# Altium PCB Elevator.PcbDoc (part 4 of 4)
Units mil, origin at the board's own origin, x right, y up, seen from the top; angles counter-clockwise.
Board outline 4974.69 x 4688.74 mil, 4 copper layers (Top Layer, Internal Plane 1, Internal Plane 2, Bottom Layer), stack 18.2 mil thick; 421 components, 308 nets, 1313 pads, 232 vias.
Unrouted connection lines stored in the file: 1.
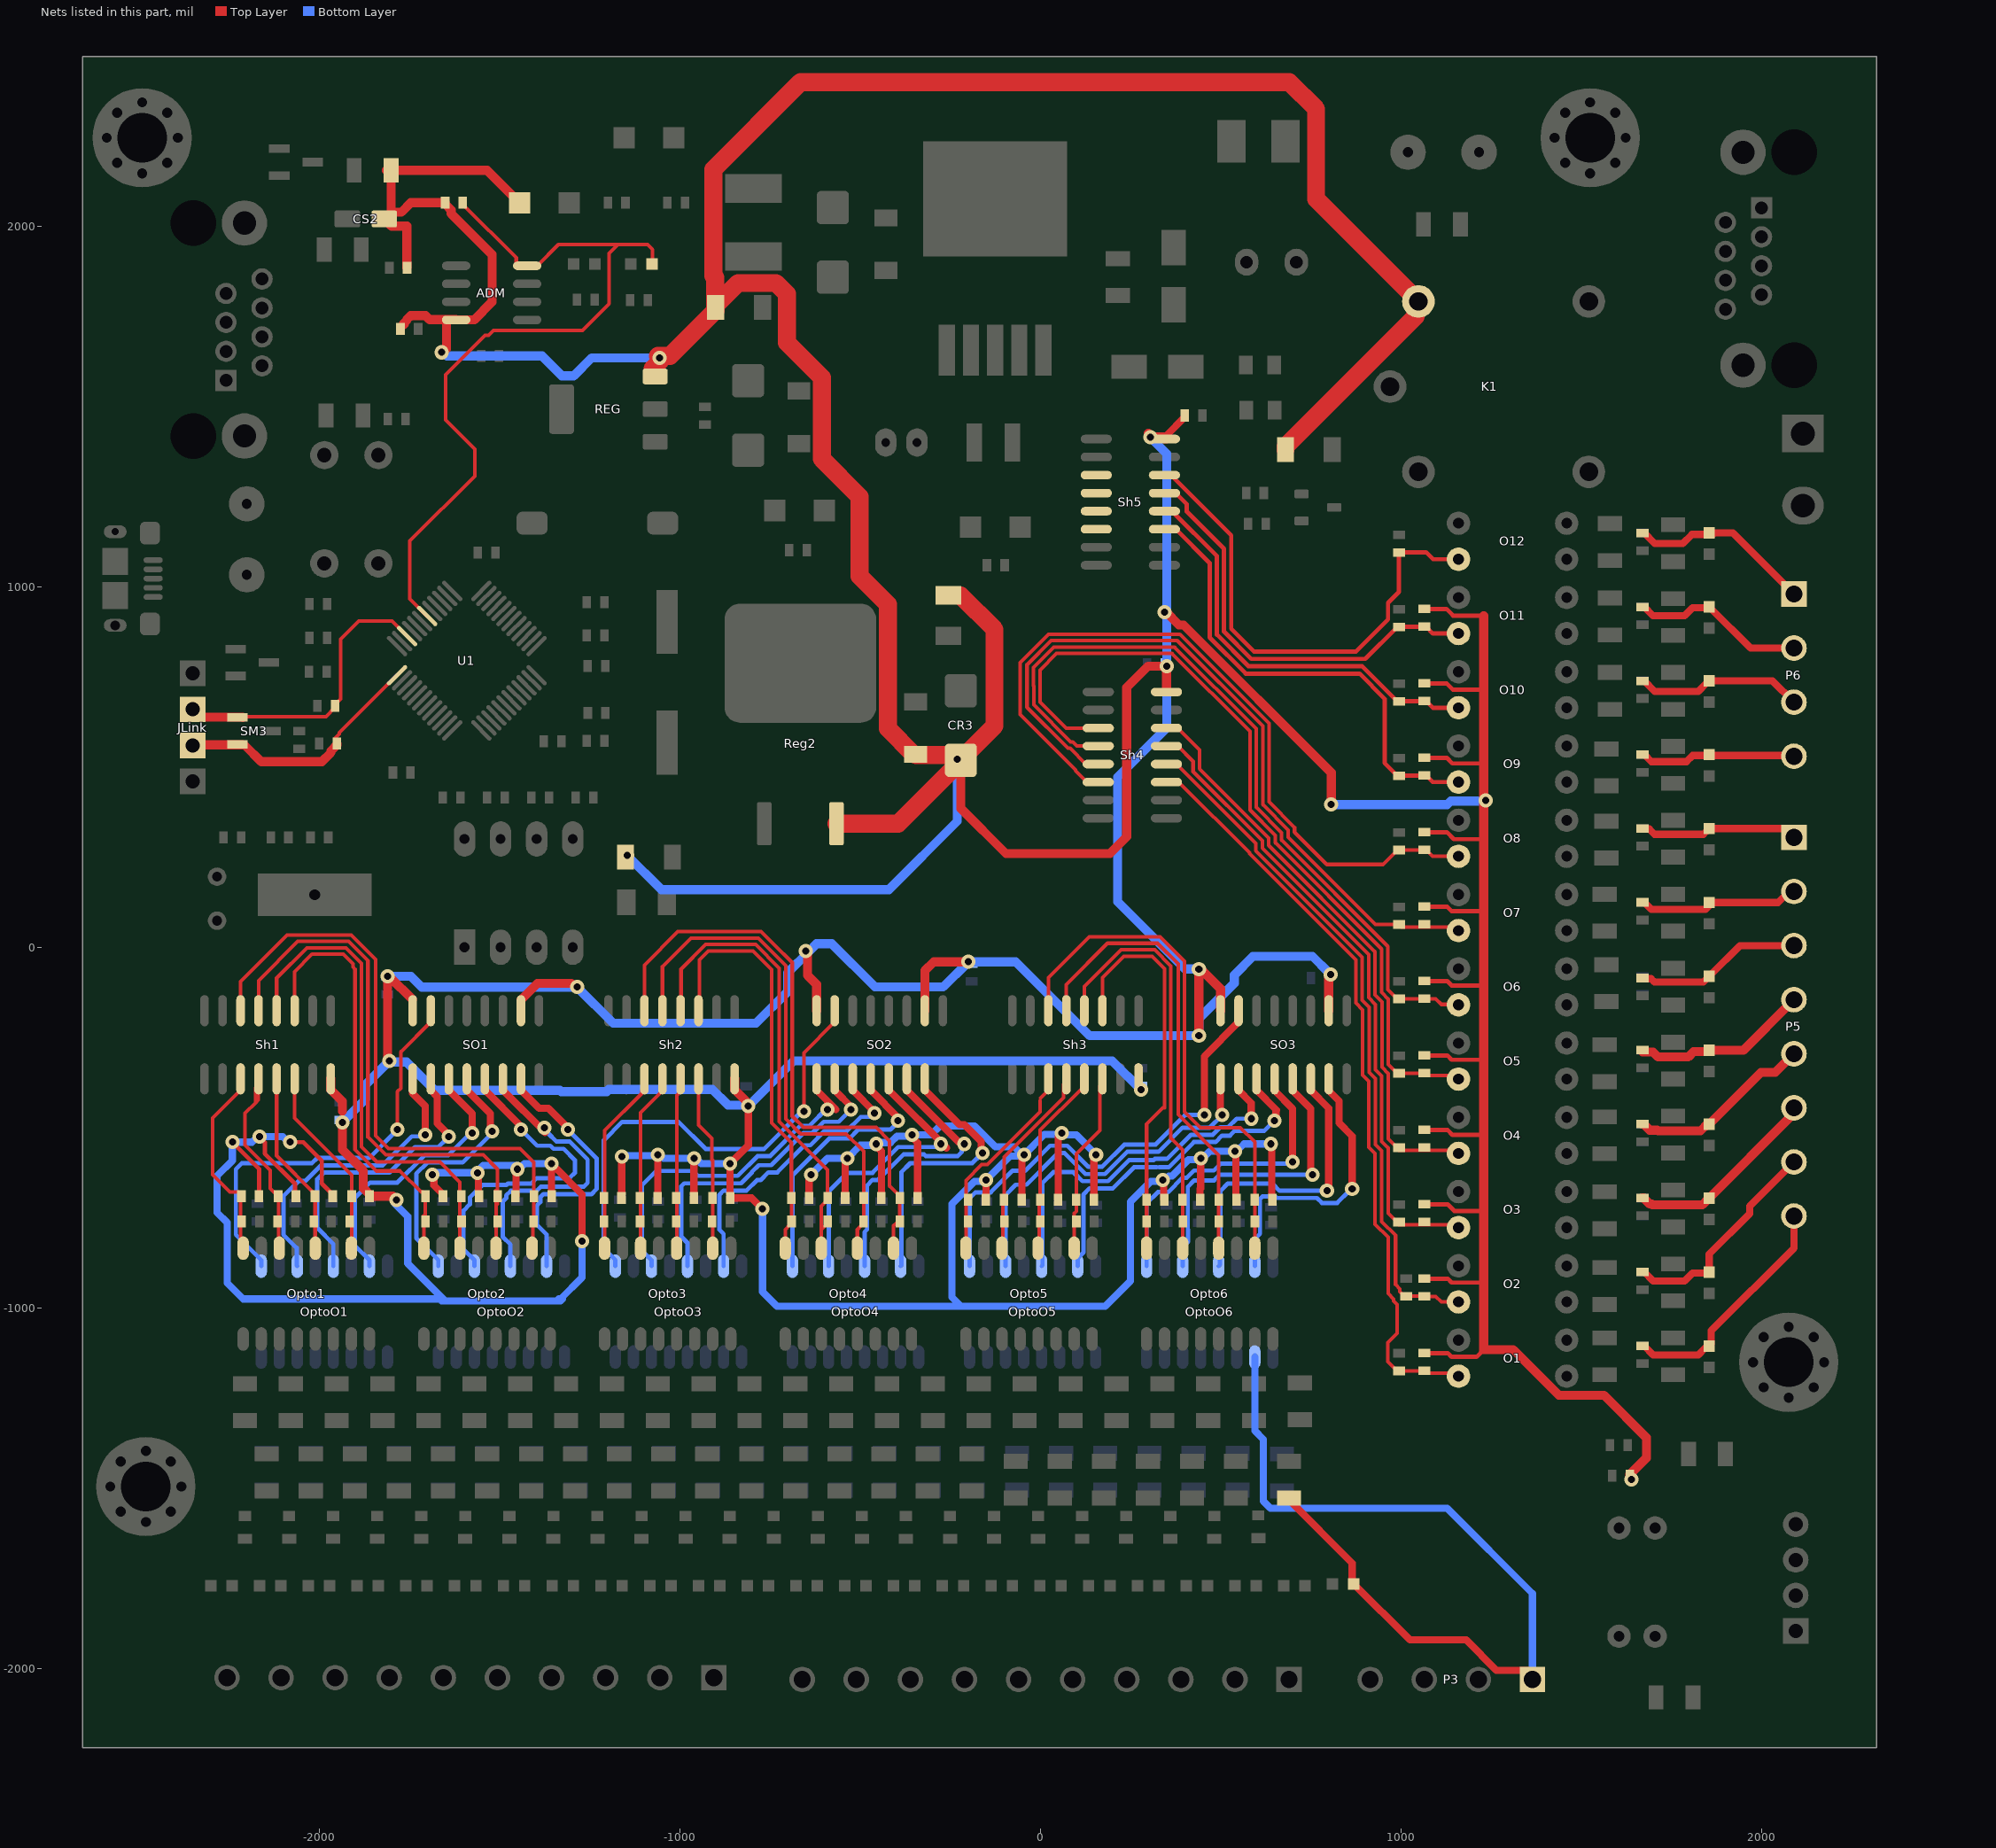
[diagram p6: the nets of this part, all layers, seen from the top]

## Via types
v1: diameter 39.37, hole 19.68, Top Layer to Bottom Layer, 154 vias
v2: diameter 39.37, hole 19.68, Top Layer to Bottom Layer, tented both sides, 76 vias
v3: diameter 78.74, hole 39.37, Top Layer to Bottom Layer, 1 vias
v4: diameter 78.74, hole 39.37, Top Layer to Bottom Layer, tented both sides, 1 vias

## Nets (pads, with @x,y where several pads share a name; then routed paths per layer and width w, separated by ;. In a path a pad name is that pad's centre, name@x,y a point inside that pad or via, vN(x,y) a via of type N, cw(c..) or ccw(c..) an arc to the next point about the centre after c; other vN are vias at no path point) (continued)
SI24_23: L24.2 OptoO6.10 P3.1 RVM24.2 | length 2423.3
  Top Layer w20: RVM24.2@688.46,-1517.87 688.46,-1530.67 865,-1707.2 L24.2@865,-1755 ; L24.2@869.53,-1765 1025,-1920.47 1180.86,-1920.47 1264.95,-2004.57 1354.57,-2004.57 P3.1@1375,-2025
  Bottom Layer w20: OptoO6.10@595,-1135.98 595,-1340.51 618.66,-1364.17 618.66,-1535.28 638.38,-1555 1128.23,-1555 1365,-1791.77 P3.1@1365,-2030
SI24_24: L25.2 P5.8 RUX1.1 | length 643.7
  Top Layer w20: RUX1.1@1670,-1105 1674.92,-1105 1699.92,-1130 1825,-1130 1843.78,-1111.22 L25.2@1849.25,-1111.22 ; L25.2@1855,-1105.47 1860.75,-1099.72 1860.75,-1063.06 2090,-833.81 2090,-768.5 P5.8@2098.5,-760
SI24_25: L26.2 P5.7 RUX2.1 | length 596
  Top Layer w20: RUX2.1@1670,-900 1674.92,-900 1699.92,-925 1787.21,-925 1809.25,-902.95 L26.2@1852.95,-902.95 ; L26.2@1855,-900.47 1855,-850.72 1967.63,-738.09 1967.63,-717.37 2080.27,-604.73 P5.7@2080.27,-600.27
SI24_26: L27.2 P5.6 RUX3.1 | length 537.4
  Top Layer w25: RUX3.1@1670,-695 1673.54,-695 1690.35,-711.81 1695.17,-711.81 1697.2,-713.84 1836.16,-713.84 L27.2@1850,-700 ; L27.2@1855,-695.47 2081.22,-469.25 2081.22,-461.22 P5.6@2070,-450
SI24_27: L28.2 P5.5 RUX4.1 | length 504.5
  Top Layer w25: RUX4.1@1670,-490 1673.54,-490 1690.35,-506.81 1711.06,-506.81 1713.1,-508.84 1831.16,-508.84 L28.2@1850,-490 ; L28.2@1855,-490.47 1998.9,-346.57 2038.43,-346.57 P5.5@2085,-300
SI24_28: L29.2 P5.4 RUX5.1 | length 492.4
  Top Layer w25: RUX5.1@1670,-290 1699.26,-290 1713.1,-303.84 1796.9,-303.84 1812.02,-288.72 1851.75,-288.72 L29.2@1855,-285.47 1949.53,-285.47 2080,-155 P5.4@2095,-155
SI24_29: L30.2 P5.3 RUX6.1 | length 474.2
  Top Layer w20: RUX6.1@1670,-85 1671.81,-86.81 1694.13,-86.81 1703.66,-96.34 1839.13,-96.34 L30.2@1855,-80.47 L30.2@1860,-75.47 ; L30.2@1860,-75 L30.2@1860,-75.47 ; P5.3@2095,10 P5.3@2090,5 1940.47,5 L30.2@1860,-75.47
SI24_30: L31.2 P5.2 RUX7.1 | length 437.6
  Top Layer w20: RUX7.1@1670,125 1674.92,125 1694.92,105 1845,105 L31.2@1864.53,124.53 ; L31.2@1865,125 L31.2@1864.53,124.53 ; P5.2@2080,150 2071.24,150 2045.76,124.53 L31.2@1864.53,124.53
SI24_31: L32.2 P5.1 RUX8.1 | length 437
  Top Layer w20: RUX8.1@1670,330 1671.81,328.19 1689.13,328.19 1703.66,313.66 1839.13,313.66 1850.47,325 L32.2@1860,325 ; L32.2@1855,329.53 2064.57,329.53 2080,314.09 P5.1@2080,310
SI24_32: L33.2 P6.4 RUX9.1 | length 443.1
  Top Layer w20: RUX9.1@1670,535 1674.92,535 1694.92,515 1792.21,515 1809.25,532.05 1857.95,532.05 L33.2@1860,530 ; L33.2@1855,534.53 1857.26,532.26 2087.74,532.26 P6.4@2090,530
SI24_33: L34.2 P6.3 RUX10.1 | length 455.5
  Top Layer w20: RUX10.1@1670,738.99 1674.92,738.99 1703.91,710 1825,710 L34.2@1848.78,733.78 ; L34.2@1860,740 1860.47,739.53 2030.47,739.53 P6.3@2090,680
SI24_34: L35.2 P6.2 RUX11.1 | length 485.5
  Top Layer w20: RUX11.1@1670,943.99 1674.92,943.99 1698.91,920 1787.21,920 1809.25,942.05 1852.95,942.05 1855,940 1859.53,940 1969.53,830 P6.2@2090,830
SI24_35: L36.2 P6.1 RUX12.1 | length 511.4
  Top Layer w20: RUX12.1@1670,1148.99 1674.92,1148.99 1703.91,1120 1782.21,1120 1807.21,1145 L36.2@1865,1145 ; L36.2@1855,1149.53 1920.47,1149.53 2075,995 P6.1@2075,985
Sig_0: OptoO1.1 SO1.15 | length 1156.2
  Top Layer w10: v1(-1782.09,-505) -1782.09,-399.99 -1772.44,-390.34 -1772.44,-289.59 -1689.86,-207.01 SO1.15@-1689.86,-175.51
  Bottom Layer w12: OptoO1.1@-2160,-884.02 -2160,-867.09 -2230.38,-796.71 -2230.38,-615.38 -2213.87,-598.87 -2020,-598.87 -2005,-583.87 -1860.97,-583.87 -1790,-512.91 v1@-1790,-505
Sig_1: OptoO1.3 SO1.1 | length 795.1
  Top Layer w20: SO1.1@-1740.55,-403.93 -1705,-439.49 v1(-1705,-520)
  Bottom Layer w12: OptoO1.3@-2060,-884.02 -2061.66,-882.35 -2061.66,-833.34 -2098.56,-796.44 -2098.56,-690 -2056.06,-647.5 -2037.5,-647.5 -1995,-605 ; -1990.63,-604.37 -1823.08,-604.37 -1742.69,-523.98 -1713.98,-523.98 v1@-1710,-520
Sig_2: OptoO1.5 SO1.2 | length 852.6
  Top Layer w20: SO1.2@-1689.86,-364.49 -1689.86,-395.98 -1671.99,-413.85 -1671.99,-487.77 -1640,-519.76 v1(-1640,-525) v1@-1640,-530
  Bottom Layer w12: OptoO1.5@-1960,-884.02 -1960,-822.46 -2005,-777.46 -2005,-643.11 -1986.14,-624.25 -1804.25,-624.25 -1733.56,-553.56 -1668.56,-553.56 v1@-1645,-530
Sig_3: OptoO1.7 SO1.3 | length 765.9
  Top Layer w20: SO1.3@-1639.86,-364.49 -1639.86,-395.98 -1575,-460.85 -1575,-510 v1@-1580,-515
  Bottom Layer w12: OptoO1.7@-1860,-884.02 -1860,-867.09 -1900,-827.09 -1900,-694.32 -1857.7,-652.02 -1782.58,-652.02 -1707.13,-576.57 -1641.57,-576.57 v1@-1590,-525
  other v1: -1575,-515
Sig_4: OptoO2.1 SO1.4 | length 715.6
  Top Layer w20: SO1.4@-1589.86,-364.49 -1589.86,-395.98 -1525,-460.85 -1525,-495 -1523.71,-496.29 -1523.71,-501.05 -1519.76,-505 v1@-1515,-505
  Bottom Layer w12: OptoO2.1@-1669,-884.02 -1669,-867.09 -1730,-806.09 -1730,-627.54 -1698.9,-596.44 -1601.44,-596.44 -1525,-520 v1@-1525,-510
  other v1: -1520,-510
Sig_5: OptoO2.3 SO1.5 | length 925.7
  Top Layer w20: SO1.5@-1539.86,-364.49 -1539.86,-395.98 v1@-1439.86,-495.98
  Bottom Layer w12: OptoO2.3@-1569,-884.02 -1569,-867.09 -1599.13,-836.96 -1599.13,-730 -1581.58,-712.45 -1581.58,-693.42 -1546.72,-658.56 -1479.83,-658.56 -1476.27,-655 -1411.27,-655 -1396.27,-640 -1305,-640 -1290,-625 -1290,-590 -1321.57,-558.43 -1349.67,-558.43 -1358.11,-550 -1395,-550 -1431.06,-513.94 -1433.94,-513.94 v1@-1435,-515 ; v1(-1440,-505) v1@-1432.5,-512.5
Sig_6: OptoO2.5 SO1.6 | length 851.2
  Top Layer w20: SO1.6@-1489.86,-364.49 -1489.86,-395.98 v1@-1372.92,-512.92
  Bottom Layer w12: OptoO2.5@-1469,-884.02 -1469,-824.01 -1490.2,-802.8 -1490.2,-705 -1480.61,-695.4 -1480.61,-687.44 -1468.04,-674.87 -1396.14,-674.87 -1385.19,-663.92 -1265.95,-663.92 -1255,-652.97 -1255,-588.11 -1304.55,-538.56 -1341.44,-538.56 v1@-1365,-515
  other v1: -1375,-500
Sig_7: OptoO2.7 SO1.7 | length 777.5
  Top Layer w20: SO1.7@-1439.86,-364.49 -1439.86,-395.98 -1389.36,-446.49 -1363.51,-446.49 -1310,-500 v1(-1310,-505)
  Bottom Layer w12: OptoO2.7@-1369,-884.02 -1369,-796 -1395,-770 -1395,-715 -1386.24,-706.24 -1386.24,-693.08 -1377.48,-684.32 -1244.31,-684.32 -1230,-670 -1230,-585 -1303.56,-511.44 -1303.56,-508.56 v1@-1300,-505
Sig_8: OptoO3.1 SO2.15 | length 1326.4
  Top Layer w10: v1(-655,-455) -655,-292.08 -569.93,-207.01 SO2.15@-569.93,-175.51
  Bottom Layer w12: OptoO3.1@-1178,-884.02 -1178,-867.09 -1210,-835.09 -1210,-535 -1158.87,-483.87 -1002.82,-483.87 -927.82,-558.87 -765.29,-558.87 -660,-453.59 v1@-660,-450
Sig_9: OptoO3.3 SO2.1 | length 957.7
  Top Layer w20: SO2.1@-619.93,-364.49 -619.93,-395.98 -566.38,-449.54
  Bottom Layer w12: OptoO3.3@-1078,-884.02 -1078,-867.09 -1105,-840.09 -1105,-660 -1065,-620 -962.33,-620 -948.77,-633.56 -838.56,-633.56 -783.75,-578.75 -748.75,-578.75 -665,-495 -640,-495 v1@-590,-445
  other v1: -590,-450
Sig_10: OptoO3.5 SO2.2 | length 875
  Top Layer w20: SO2.2@-569.93,-364.49 -569.93,-395.98 v1@-520.46,-445.46
  Bottom Layer w12: OptoO3.5@-978,-884.02 -978,-819.4 -995,-802.41 -995,-662.03 -987.41,-654.44 -829.44,-654.44 -800.42,-625.42 -800.42,-624.04 -780.42,-604.05 -745.94,-604.05 -656.77,-514.87 -631.77,-514.87 -600.45,-483.56 -558.56,-483.56 v1@-535,-460
  other v1: -525,-450
Sig_11: OptoO3.7 SO2.3 | length 831.1
  Top Layer w20: SO2.3@-519.93,-364.49 -519.93,-395.98 v1@-457.96,-457.96
  Bottom Layer w12: OptoO3.7@-878,-884.02 -878,-794.4 -890,-782.41 -890,-686.84 -877.48,-674.32 -814.31,-674.32 -785.29,-645.29 -775.29,-645.29 -753.92,-623.92 -728.92,-623.92 -653.75,-548.75 -637.54,-548.75 -598.79,-510 -537.54,-510 -497.54,-470 v1@-470,-470
  other v1: -460,-460
Sig_12: OptoO4.1 SO2.4 | length 763.8
  Top Layer w20: SO2.4@-469.93,-364.49 -469.93,-395.98 v1@-390.46,-475.46
  Bottom Layer w12: OptoO4.1@-687,-884.02 -687,-632 -585,-530 -529.43,-530 -504.43,-505 -415,-505 -395,-485 v1(-395,-480) v1@-395,-470
Sig_13: OptoO4.3 SO2.5 | length 834
  Top Layer w20: SO2.5@-419.93,-364.49 -419.93,-395.98 v1@-260,-555.91
  Bottom Layer w12: OptoO4.3@-587,-884.02 -586.57,-883.58 -586.57,-677.03 -534.54,-625 -465,-625 -393.56,-553.56 v1@-268.56,-553.56
  other v1: -275,-545
Sig_14: OptoO4.5 SO2.6 | length 780.2
  Top Layer w20: SO2.6@-369.93,-364.49 -369.93,-395.98 v1@-223.71,-542.21
  Bottom Layer w12: OptoO4.5@-487,-884.02 -487,-789.41 -480,-782.41 -480,-660 -464.87,-644.87 -449.87,-644.87 -378.43,-573.43 -322.5,-573.43 -317.37,-578.56 -228.56,-578.56 -217.47,-567.47 v1@-217.47,-557.53
  other v1: -210,-545
Sig_15: OptoO4.7 SO2.7 | length 771.4
  Top Layer w20: SO2.7@-319.93,-364.49 -319.93,-395.98 -224.14,-491.77 -210.11,-491.77 -163.71,-538.18 v1@-163.71,-561.29
  Bottom Layer w12: OptoO4.7@-387,-884.02 -385,-882.02 -385.13,-881.89 -385.13,-623.43 -360.13,-598.43 -188.43,-598.43 v1@-165,-575
  other v1: -160,-570
Sig_16: OptoO5.1 SO3.15 | length 1312
  Top Layer w20: v1(455,-465) 455,-302.01 550,-207.01 SO3.15@550,-175.51
  Bottom Layer w12: OptoO5.1@-196,-884.02 -196,-696 -179.31,-679.32 -136.86,-679.32 -76.89,-619.34 -41.89,-619.34 27.46,-550 75,-550 133.56,-608.56 171.44,-608.56 233.18,-546.82 319.87,-546.82 386.57,-480.13 401.69,-465 v1(455,-465)
Sig_17: OptoO5.3 SO3.1 | length 1044.6
  Top Layer w20: v1@500,-470 SO3.1@500,-364.49
  Bottom Layer w12: OptoO5.3@-96,-884.02 -96,-686 -68,-658 -38,-658 50.13,-569.87 66.77,-569.87 125.33,-628.43 179.67,-628.43 241.41,-566.69 328.1,-566.69 394.8,-500 470,-500 v1(505,-465)
Sig_18: OptoO5.5 SO3.2 | length 1029.9
  Top Layer w20: SO3.2@550,-364.49 550,-395.98 585,-430.98 v1(585,-475)
  Bottom Layer w12: OptoO5.5@4,-884.02 6.43,-881.58 6.43,-653.57 36.89,-623.11 91.89,-623.11 117.1,-648.31 187.9,-648.31 246.21,-590 314.43,-590 317.87,-586.57 351.36,-586.57 418.05,-519.87 478.23,-519.87 499.55,-498.56 521.44,-498.56 545,-475 v1(585,-475)
Sig_19: OptoO5.7 SO3.3 | length 951.5
  Top Layer w20: SO3.3@600,-364.49 600,-395.98 655,-450.98 653.71,-452.28 653.71,-476.29 v1(650,-480)
  Bottom Layer w12: OptoO5.7@104,-884.02 104,-861.81 120,-845.81 120,-685 136.82,-668.18 201.82,-668.18 260.13,-609.87 322.67,-609.87 ; 330,-609.87 356.16,-609.87 426.29,-539.75 486.46,-539.75 504.31,-521.9 526.21,-521.9 539.55,-508.56 621.44,-508.56 v1@645,-485 ; v1@650,-485 v1(650,-480)
Sig_20: OptoO6.1 SO3.4 | length 868.8
  Top Layer w20: SO3.4@650,-364.49 650,-396.96 700,-446.96 v1@700,-589.51
  Bottom Layer w12: OptoO6.1@295,-884.02 295,-710 326.44,-678.56 355,-678.56 395,-638.56 406.44,-638.56 426.44,-618.56 481.44,-618.56 500,-600 687.36,-600 690,-597.36 v1@690,-590
  other v1: 700,-595
Sig_21: OptoO6.3 SO3.5 | length 870.7
  Top Layer w20: SO3.5@700,-364.49 700,-396.96 750,-446.96 v1@750,-630
  Bottom Layer w12: OptoO6.3@395,-884.02 395,-830.91 410,-815.91 410,-782.16 409.39,-781.55 409.39,-663.71 427.2,-645.91 482.2,-645.91 498.11,-630 742.36,-630 v1@750,-622.36
  other v1: 755,-630
Sig_22: OptoO6.5 SO3.6 | length 846
  Top Layer w20: SO3.6@750,-364.49 750,-395.98 800,-445.98 v1@800,-665
  Bottom Layer w12: OptoO6.5@495,-884.02 498.73,-880.29 498.73,-841.46 500,-840.19 500,-674.87 519.87,-655 643.73,-655 663.73,-675 790,-675 v1@795,-680
  other v1: 795,-675
Sig_23: OptoO6.7 SO3.7 | length 796.8
  Top Layer w20: SO3.7@800,-364.49 800,-396.96 828.98,-425.94 828.98,-487.09 865,-523.12 v1(865,-670)
  Bottom Layer w12: OptoO6.7@595,-884.02 595,-808.79 609.39,-794.39 609.39,-697.64 616.42,-690.61 651.23,-690.61 655.5,-694.87 767.41,-694.87 781.1,-708.56 823.56,-708.56 v1@857.12,-675
SIMu_0: CY1.2 Opto1.16 RA1.2 Sh1.11 | length 533.5
  Top Layer w10: RA1.2@-2217.35,-690 -2217.35,-803.92 -2210,-811.27 Opto1.16@-2210,-820 ; Sh1.11@-2217.35,-364.49 -2217.35,-395.98 -2295,-473.64 -2295,-630 -2246.73,-678.27 -2221.73,-678.27 RA1.2@-2215,-685
SIMu_1: CY2.2 Opto1.14 RA2.2 Sh1.12 | length 562.1
  Top Layer w10: -2176.65,-576.65 -2205,-548.31 -2205,-460 -2175,-430 ; Sh1.12@-2175,-390 -2175,-430 ; -2174.19,-579.12 -2135,-618.31 -2135,-668 RA2.2@-2113,-690 ; Sh1.12@-2165.09,-366.74 Sh1.12@-2167.35,-364.49 -2167.8,-364.94 -2167.8,-422.8 -2175,-430 ; RA2.2@-2111.5,-691.5 -2111.5,-832.52 Opto1.14@-2110,-834.02
SIMu_2: CY3.2 Opto1.12 RA3.2 Sh1.13 | length 508
  Top Layer w10: Sh1.13@-2117.35,-364.49 -2117.35,-577.65 -2010.99,-684.01 RA3.2@-2010.99,-689.01 ; Opto1.12@-2010,-834.02 -2010.5,-833.52 -2010.5,-695.5 RA3.2@-2010,-695
SIMu_3: CY4.2 Opto1.10 RA4.2 Sh1.14 | length 537.6
  Top Layer w10: Sh1.14@-2067.35,-364.49 -2067.35,-473.03 -1908.99,-631.39 RA4.2@-1908.99,-690 RA4.2@-1908.99,-695 ; RA4.2@-1915,-695 -1909.5,-700.5 -1909.5,-833.51 Opto1.10@-1910,-834.02
SIMu_4: CY5.2 Opto2.16 RA5.2 Sh1.3 | length 1210.5
  Top Layer w10: Sh1.3@-2067.35,-157.35 -2067.35,-67.35 -2019.14,-19.14 -1932.45,-19.14 -1905.8,-45.8 -1905.8,-54.2 -1900,-60 -1900,-560 -1840,-620 -1775,-620 -1716.73,-678.27 -1711.81,-678.27 -1705,-685.08 RA5.2@-1705,-690 -1705,-759.5 CY5.2@-1704.5,-760 ; CY5.2@-1710,-745 -1709,-746 Opto2.16@-1709,-834.02
SIMu_5: CY6.2 Opto2.14 RA6.2 Sh1.4 | length 1383.5
  Top Layer w10: Sh1.4@-2117.35,-175.51 -2117.35,-85 -2033.61,-1.27 -1925.05,-1.27 -1882.13,-44.19 -1882.13,-552.6 -1839.72,-595 -1665,-595 -1609,-651 -1609,-690 -1609,-760 Opto2.14@-1609,-834.02
SIMu_6: CY7.2 Opto2.12 RA7.2 Sh1.5 | length 1599.9
  Top Layer w10: Sh1.5@-2167.35,-175.51 -2167.35,-92.11 -2058.63,16.61 -1917.64,16.61 -1864.25,-36.79 -1864.25,-525.75 -1814.57,-575.43 -1544.57,-575.43 -1505,-615 -1505,-711 -1509,-715 ; RA7.2@-1510,-675 -1509,-676 -1509,-715 ; Opto2.12@-1509,-834.02 -1509,-715
SIMu_7: CY8.2 Opto2.10 RA8.2 Sh1.6 | length 1726.5
  Top Layer w10: Sh1.6@-2217.35,-175.51 -2217.35,-94.85 -2088.02,34.48 -1910.24,34.48 -1842.56,-33.2 -1842.56,-522.16 -1807.16,-557.56 -1442.44,-557.56 -1404.5,-595.5 -1404.5,-690 -1404.5,-750.5 CY8.2@-1400,-755 ; Opto2.10@-1409,-834.02 -1406.75,-831.76 -1406.75,-766.75 CY8.2@-1405,-765
SIMu_8: CY9.2 Opto3.16 RA9.2 Sh2.11 | length 481.7
  Top Layer w10: Opto3.16@-1208,-834.02 -1208,-508 -1105,-405 Sh2.11@-1105,-395
SIMu_9: CY10.2 Opto3.14 RA10.2 Sh2.12 | length 498.3
  Top Layer w10: Opto3.14@-1108,-834.02 -1108,-458 -1047.42,-397.42 Sh2.12@-1047.42,-367.58 ; Sh2.12@-1050,-365 Sh2.12@-1047.42,-367.58 ; Sh2.12@-1047.42,-364.49 Sh2.12@-1047.42,-367.58
SIMu_10: CY11.2 Opto3.12 RA11.2 Sh2.13 | length 460.6
  Top Layer w10: Opto3.12@-1008,-834.02 -1008,-410.25 -1000,-402.25 Sh2.13@-1000,-380 ; Sh2.13@-997.42,-364.49 Sh2.13@-995.13,-366.78
SIMu_11: CY12.2 Opto3.10 RA12.2 Sh2.14 | length 485
  Top Layer w10: Sh2.14@-947.42,-364.49 -947.42,-492.58 -910,-530 -910,-590 ; Opto3.10@-908,-834.02 -908,-590
SIMu_12: CY13.2 Opto4.16 RA13.2 Sh2.3 | length 1175.9
  Top Layer w10: Sh2.3@-947.42,-175.51 -945,-173.1 -945,-35 -920,-10 -796.28,-10 -745,-61.28 -745,-486.88 -690,-541.88 RA13.2@-690,-695 ; Opto4.16@-707,-834.02 -707,-782.43 -695,-770.43 CY13.2@-695,-760 ; RA13.2@-695,-695 -689.75,-700.25 -689.75,-759.75 CY13.2@-689.5,-760
SIMu_13: CY14.2 Opto4.14 RA14.2 Sh2.4 | length 1314
  Top Layer w10: Sh2.4@-997.42,-175.51 -995.86,-173.95 -995.86,-60 -927.98,7.87 -788.87,7.87 -723.31,-57.69 -723.31,-483.29 -589.66,-616.94 -589.66,-690 RA14.2@-589.66,-695 ; Opto4.14@-607,-834.02 -607,-782.43 ; CY14.2@-590,-760 -590,-765.43 -607,-782.43 ; RA14.2@-585,-695.26 -607,-717.26 -607,-782.43
SIMu_14: CY15.2 Opto4.12 RA15.2 Sh2.5 | length 1457.5
  Top Layer w10: Sh2.5@-1047.42,-152.42 -1047.42,-53.49 -968.17,25.75 -781.47,25.75 -705.43,-50.29 -705.43,-475.89 -664.24,-517.08 -537.92,-517.08 -489.33,-565.67 RA15.2@-489.33,-695 ; Opto4.12@-507,-834.02 -507,-782.43 -495,-770.43 CY15.2@-495,-760 ; CY15.2@-489.5,-760 -489.41,-759.92 RA15.2@-489.41,-695
SIMu_15: CY16.2 Opto4.10 RA16.2 Sh2.6 | length 1642.1
  Top Layer w10: Sh2.6@-1097.42,-175.51 -1097.42,-49.2 -1004.59,43.62 -774.07,43.62 -740.22,9.78 ; -740,10 -687.56,-42.44 -687.56,-468.49 -656.84,-499.2 -454.75,-499.2 -417.46,-536.49 -417.46,-661.61 -388.99,-690.08 RA16.2@-388.99,-695 ; Opto4.10@-407,-834.02 -407,-772 CY16.2@-400,-765 ; RA16.2@-390,-695 -389.24,-695.76 -389.24,-759.75 CY16.2@-389.5,-760
SIMu_16: CY17.2 Opto5.16 RA17.2 Sh3.11 | length 565.5
  Top Layer w10: Opto5.16@-206,-834.02 -206,-646 -162.56,-602.56 -146.51,-602.56 0,-456.05 0,-425 ; 1.13,-417.36 22.51,-395.98 Sh3.11@22.51,-364.49
SIMu_17: CY18.2 Opto5.14 RA18.2 Sh3.12 | length 524.8
  Top Layer w10: Opto5.14@-106,-834.02 -103,-831.02 -103,-703 RA18.2@-100,-700 -100,-581.32 65,-416.32 Sh3.12@65,-380
SIMu_18: CY19.2 Opto5.12 RA19.2 Sh3.13 | length 514.1
  Top Layer w10: Opto5.12@-6,-834.02 -3,-831.02 -3,-698 RA19.2@0,-695 ; RA19.2@0,-700 RA19.2@0,-695 ; Sh3.13@115,-375 115,-391.6 0,-506.6 RA19.2@0,-695
SIMu_19: CY20.2 Opto5.10 RA20.2 Sh3.14 | length 492.3
  Top Layer w10: Opto5.10@94,-834.02 94,-737.73 100,-731.73 RA20.2@100,-700 100,-572.54 165,-507.54 Sh3.14@165,-385 ; Sh3.14@172.51,-364.49 169.49,-364.49 Sh3.14@177.16,-372.16
SIMu_20: CY21.2 Opto6.16 RA21.2 Sh3.3 | length 1117
  Top Layer w10: Sh3.3@175,-195 172.51,-192.51 Sh3.3@172.51,-175.51 172.51,-83.64 231.8,-24.36 310,-24.36 344.49,-58.84 344.49,-445 ; Opto6.16@295,-834.02 RA21.2@295,-700 295,-490 340,-445
SIMu_21: CY22.2 Opto6.14 RA22.2 Sh3.4 | length 1163.9
  Top Layer w10: Sh3.4@122.51,-175.51 122.51,-108.36 224.4,-6.48 317.4,-6.48 362.36,-51.44 362.36,-528.96 395,-561.6 RA22.2@395,-700 Opto6.14@395,-834.02
SIMu_22: CY23.2 Opto6.12 RA23.2 Sh3.5 | length 1275.1
  Top Layer w10: Sh3.5@72.51,-162.49 72.51,-103 186.91,11.39 324.81,11.39 382.36,-46.16 382.36,-463.68 495,-576.32 RA23.2@495,-700 495,-760 Opto6.12@495,-834.02
SIMu_23: CY24.2 Opto6.10 RA24.2 Sh3.6 | length 1485.4
  Top Layer w10: Sh3.6@22.51,-175.51 22.51,-83.81 135.59,29.27 332.21,29.27 400.23,-38.75 400.23,-456.28 443.95,-500 555,-500 595,-540 RA24.2@595,-700 595,-760 Opto6.10@595,-834.02
SIMu_24: CV1.2 O1.4 RG1.1 Sh4.11 | length 2115.5
  Top Layer w10: Sh4.11@350,458.26 384.68,458.26 580.15,262.79 580.15,260.66 875,-34.19 875,-154.14 893.9,-173.04 893.9,-354.09 911.38,-371.57 911.38,-553.78 928.62,-571.03 928.62,-767.48 965,-803.86 965,-960 980.25,-975.25 980.25,-980.7 989.83,-990.28 989.83,-1070.51 964.37,-1095.97 964.37,-1148.79 990.08,-1174.5 CV1.2@995,-1174.5 ; CV1.2@995,-1174.24 1064.75,-1174.24 RG1.1@1065,-1173.99 1071.81,-1180.8 1151.83,-1180.8 O1.4@1160,-1188.98
SIMu_25: CV2.2 O2.4 RG2.1 Sh4.12 | length 1922.9
  Top Layer w10: Sh4.12@350,508.26 378.41,508.26 598.02,288.65 598.02,268.06 892.87,-26.79 892.87,-146.74 911.77,-165.63 911.77,-346.69 929.25,-364.17 929.25,-546.38 946.5,-563.62 946.5,-760.08 985.39,-798.97 985.39,-935.25 997.48,-947.33 997.48,-954.49 1010.08,-967.09 CV2.2@1015,-967.09 ; CV2.2@1015,-970 1017.62,-967.38 1064.72,-967.38 RG2.1@1065,-967.66 1096.73,-967.66 1112.12,-983.04 O2.4@1160,-983.04
SIMu_26: CV3.2 O3.4 RG3.1 Sh4.13 | length 1777.1
  Top Layer w10: Sh4.13@350,558.26 381.5,558.26 424.06,515.7 424.06,487.89 615.89,296.05 615.89,275.47 910.75,-19.39 910.75,-139.33 929.65,-158.23 929.65,-339.29 947.13,-356.77 947.13,-537.82 965.39,-556.09 965.39,-737.14 990.08,-761.83 CV3.2@995,-761.83 ; CV3.2@995,-768.64 1151.53,-768.64 O3.4@1160,-777.11
SIMu_27: CV4.2 O4.4 RG4.1 Sh4.14 | length 1620.9
  Top Layer w10: Sh4.14@350,608.26 381.5,608.26 441.93,547.82 441.93,495.3 633.77,303.46 633.77,282.87 928.62,-11.98 928.62,-131.93 947.52,-150.83 947.52,-331.88 965.39,-349.76 965.39,-530.81 990.08,-555.5 CV4.2@995,-555.5 ; CV4.2@995,-562.31 1151.13,-562.31 O4.4@1160,-571.18
SIMu_28: CV5.2 O5.4 RG5.1 Sh4.3 | length 2265.1
  Top Layer w10: Sh4.3@161.02,608.26 71.74,608.26 0,680 0,760 -0.86,760.86 -0.86,769.14 45,815 365,815 581.36,598.64 581.36,381.14 651.64,310.86 651.64,290.28 946.5,-4.58 946.5,-124.52 965.39,-143.42 965.39,-324.48 990.08,-349.16 CV5.2@995,-349.16 ; CV5.2@995,-348.91 1064.75,-348.91 RG5.1@1065,-348.66 1071.81,-355.47 1150.22,-355.47 O5.4@1160,-365.25
SIMu_29: CV6.2 O6.4 RG6.1 Sh4.4 | length 2153.8
  Top Layer w10: Sh4.4@161.02,558.26 101.74,558.26 90,570 84.72,570 -17.87,672.6 -17.87,725 -18.73,725.86 -18.73,776.55 37.6,832.87 372.4,832.87 599.23,606.04 599.23,388.55 669.52,318.26 669.52,297.68 964.37,2.83 964.37,-117.12 990.08,-142.83 CV6.2@995,-142.83 995.25,-142.58 1064.75,-142.58 RG6.1@1065,-142.33 1096.73,-142.33 1112.5,-158.09 1158.78,-158.09 O6.4@1160,-159.32
SIMu_30: CV7.2 O7.4 RG7.1 Sh4.5 | length 2077.7
  Top Layer w10: Sh4.5@161.02,508.26 126.47,508.26 82.6,552.13 77.32,552.13 -36.61,666.05 -36.61,783.95 30.19,850.75 379.81,850.75 617.11,613.45 617.11,395.95 687.39,325.67 687.39,305.08 928.97,63.5 CV7.2@995,63.5 1001.81,56.69 1149.92,56.69 O7.4@1160,46.61
SIMu_31: CV8.2 O8.4 RG8.1 Sh4.6 | length 2107.2
  Top Layer w10: Sh4.6@161.02,458.26 129.53,458.26 97.4,490.38 97.4,492.6 -56,646 -56,789.83 22.79,868.62 387.21,868.62 634.98,620.85 634.98,403.35 705.26,333.07 705.26,319.74 795,230 950,230 983.03,263.03 983.27,263.03 990,269.76 CV8.2@990,270 ; CV8.2@995.25,270.09 1064.75,270.09 RG8.1@1065,270.34 1069.92,270.34 1087.72,252.55 O8.4@1160,252.55
SIMu_32: CV9.2 O9.4 RG9.1 Sh5.11 | length 1331.9
  Top Layer w12: Sh5.11@344.49,1159.74 375.98,1159.74 470,1065.72 470,859.02 569.96,759.06 598.24,759.06 885.42,759.06 955,689.48 955,511.25 990.08,476.17 CV9.2@995,476.17 995.25,476.42 1064.75,476.42 RG9.1@1065,476.67 1069.92,476.67 1088.12,458.48 O9.4@1160,458.48
SIMu_33: CV10.2 O10.4 RG10.1 Sh5.12 | length 1169.4
  Top Layer w12: Sh5.12@344.49,1209.74 345.02,1209.2 365.8,1209.2 489.87,1085.13 489.87,867.25 577,780.13 892.46,780.13 990.08,682.5 CV10.2@995,682.5 995.25,682.76 1064.75,682.76 RG10.1@1065,683.01 1069.92,683.01 1088.52,664.41 O10.4@1160,664.41
SIMu_34: CV11.2 O11.4 RG11.1 Sh5.13 | length 1197.6
  Top Layer w12: Sh5.13@344.49,1259.74 375.98,1259.74 406.65,1229.08 406.65,1208.35 509.75,1105.25 509.75,875.48 585.1,800.13 669.87,800.13 670,800 901.24,800 990.08,888.84 CV11.2@995,888.84 995.25,889.09 1064.75,889.09 RG11.1@1065,889.34 1069.92,889.34 1088.92,870.34 O11.4@1160,870.34
SIMu_35: CV12.2 O12.4 Sh5.14 | length 1365.4
  Top Layer w12: Sh5.14@362.31,1309.74 529.62,1142.43 529.62,883.71 593.33,820 875.22,820 964.39,909.17 964.39,955.39 995,985.99 CV12.2@995,1095.17 995.25,1095.42 1064.75,1095.42 1065,1095.67 1069.92,1095.67 1089.32,1076.27 O12.4@1160,1076.27
SIMu_36: Sh5.3
SIMu_37: Sh5.4
SIMu_38: Sh5.5
SIMu_39: Sh5.6
SWCLk: JLink.2 R5.2 SM3.2 U1.37 | length 679.3
  Top Layer w10: R5.2@-1955.34,575 -1955.34,579.92 -1943.11,592.15 -1943.11,595 U1.37@-1783.48,754.63
  Top Layer w25: JLink.2@-2330,550 -2330,558.98 -2327.07,561.91 -2211.95,561.91 SM3.2@-2211.26,562.6 ; SM3.2@-2205,560 -2160,515 -1991.64,515 -1966.81,539.83 -1966.81,544.65 -1950,561.46 R5.2@-1950,565
SWIO: JLink.3 R6.1 SM3.1 U1.34 | length 855.3
  Top Layer w10: JLink.3@-2350,660 JLink.3@-2333.35,676.65 ; SM3.1@-2220,640 -1980.42,640 -1955.34,665.08 R6.1@-1955.34,670 ; R6.1@-1956.91,671.57 -1940,688.48 -1940,855 -1890,905 -1797.44,905 U1.34@-1755.64,863.21
  Top Layer w25: JLink.3@-2345,650 -2333.09,638.09 -2211.95,638.09 SM3.1@-2211.26,637.4
TxComm: ADM.4 RC3.1 Tx.1 U1.30 | length 2186.8
  Top Layer w10: U1.30@-1699.96,918.88 -1747.87,966.79 -1747.87,1126.85 -1567.87,1306.85 -1567.87,1381.87 -1648.36,1462.35 -1648.36,1587.91 -1539.52,1696.75 -1529.95,1696.75 -1516.27,1710.43 -1269.57,1710.43 -1195,1785 -1195,1924.53 -1170.61,1948.92 ; RC3.1@-1601.01,2065 -1601.01,2060.08 -1452.77,1911.84 -1452.77,1896.29 -1446.48,1890 ADM.4@-1422.61,1890 -1395.05,1890 -1336.12,1948.92 -1170.61,1948.92 ; Tx.1@-1075.94,1895 -1075,1895.94 -1075,1935 -1088.92,1948.92 -1170.61,1948.92
VCC: 5V.1 ADM.8 CPP5.2 CPP6.2 CPP7.2 CPP8.2 CPP9.2 CPP10.2 CPP11.2 CPP12.2 CR2.1 CR3.1 CS2.1 CS3.1 DP1.1 DP2.2 DP15.2 DZ1.2 K1.4 RA1.1 RA2.1 RA3.1 RA4.1 RA5.1 RA6.1 RA7.1 RA8.1 RA9.1 RA10.1 RA11.1 RA12.1 RA13.1 RA14.1 RA15.1 RA16.1 RA17.1 RA18.1 RA19.1 RA20.1 RA21.1 RA22.1 RA23.1 RA24.1 RC3.2 RC4.2 Reg2.3 REG.3 RG1.2 RG2.2 RG3.2 RG4.2 RG5.2 RG6.2 RG7.2 RG8.2 RG9.2 RG10.2 RG11.2 RP2.2 RT2.1 Sh1.16 Sh2.16 Sh3.16 Sh4.16 Sh5.16 SO1.10 SO1.16 SO2.10 SO2.16 SO3.10 SO3.16 | length 35460.6
  Top Layer w12: v1@-2235,-545 -2166.01,-613.99 RA1.1@-2166.01,-690 ; v1(-2165,-525) -2150,-540 -2150,-571.69 -2066.42,-655.27 -2066.42,-687.58 RA2.1@-2064.01,-690 ; v1(-2080,-540) -2043.31,-540 -1992.12,-591.19 -1992.12,-654.96 -1962,-685.08 RA3.1@-1962,-690 ; RG1.2@1065,-1125 1130.44,-1125 1140.79,-1135.35 1210.15,-1135.35 1230,-1115.5 ; RG2.2@1065,-918.67 1130.04,-918.67 1140.79,-929.42 1225.58,-929.42 1230,-925 ; RG3.2@1065,-712.33 1129.64,-712.33 1148.04,-730.74 1225.74,-730.74 1230,-735 ; RG4.2@1065,-506 1129.24,-506 1143.24,-520 1230,-520 ; RG5.2@1065,-299.67 1128.83,-299.67 1140.79,-311.62 1228.38,-311.62 1230,-310 ; RG6.2@1065,-93.33 1128.43,-93.33 1140.79,-105.69 1224.31,-105.69 1230,-100 ; RG7.2@1065,113 1128.03,113 1141.03,100 1230,100 ; RG8.2@1065,319.33 1127.63,319.33 1146.96,300 1230,300 ; RG9.2@1065,525.67 1127.23,525.67 1142.89,510 1230,510 ; RG10.2@1065,732 1126.83,732 1143.83,715 1230,715 ; RG11.2@1065,938.33 1126.42,938.33 1144.76,920 1230,920
  Top Layer w20: v1@-1681.29,-638.71 -1681.29,-659.79 -1656.01,-685.08 RA5.1@-1656.01,-690 ; v1@-1557.48,-627.52 -1557.48,-688.19 RA6.1@-1555.67,-690 ; RA7.1@-1455.34,-690 -1453.53,-688.19 v1@-1453.53,-616.47 ; RA8.1@-1355,-690 v1@-1355,-605 ; v1(-1355,-600) -1270,-685 v1(-1270,-815) ; RA9.1@-1161.01,-695 -1160.5,-694.5 v1@-1160.5,-579.5 ; RA10.1@-1060.67,-695 -1060,-694.33 v1(-1060,-575) ; RA11.1@-960.34,-695 -960.34,-604.66 ; v1@-860,-605 RA12.1@-860,-695 -800,-695 v1@-775,-720 ; v1(-860,-600) -809.33,-549.33 v1@-809.33,-448.95 ; RA13.1@-641.01,-695 v1@-641.01,-641.25 ; RA14.1@-540.67,-695 v1@-540.67,-599.33 ; v1@-460,-545.24 -440.34,-564.91 RA15.1@-440.34,-695 ; v1@-351.72,-530 -340,-541.72 RA16.1@-340,-695 ; RA17.1@-151.01,-700 -150.5,-699.5 v1@-150.5,-650.5 ; RA18.1@-51.01,-700 v1@-51.01,-586.25 ; RA19.1@48.99,-700 50,-698.99 v1@50,-525 ; RA20.1@148.99,-700 v1@148.99,-586.25 ; Sh5.16@310,1410 310,1414.76 313.95,1418.71 349.13,1418.71 400.5,1470.08 CPP8.2@400.5,1475 ; v1@342.18,-647.18 342.18,-698.19 RA21.1@343.99,-700 ; RA22.1@443.99,-700 443.27,-699.28 443.27,-670 445,-668.27 v1(445,-585) ; v1(540,-565) 542.18,-567.18 542.18,-698.19 RA23.1@543.99,-700 ; v1(640,-545) 642.18,-547.18 642.18,-698.19 RA24.1@643.99,-700
  Top Layer w25: Sh1.16@-1967.35,-364.49 -1967.35,-394.61 -1935,-426.95 -1935,-455 ; v1(-1935,-485) -1935,-560.88 -1876.81,-619.08 -1876.81,-668.19 RA4.1@-1855,-690 ; RA4.1@-1860,-690 RA4.1@-1855,-690 ; v1@-1810,-310 v1(-1810,-80) -1807.25,-82.75 -1802.51,-82.75 SO1.16@-1740.55,-144.7 ; v1(-1785,-700) -1795,-690 RA4.1@-1855,-690 ; RC4.2@-1773.99,1715 -1773.99,1718.54 RC4.2@-1763.77,1728.77 ; RC4.2@-1765,1730 -1757.19,1737.82 -1757.19,1740.17 -1745.25,1752.11 -1704.75,1752.11 -1693.33,1740.69 -1620.15,1740.69 ADM.8@-1619.46,1740 ; RT2.1@-1755.64,1885 -1756.33,1885.69 -1756.33,2000 -1798.82,2000 CS2.1@-1818.82,2020 CS2.1@-1800,2038.82 ; v1@-1646.33,1659.84 -1646.33,1739.31 -1645.64,1740 ADM.8@-1619.46,1740 ; 5V.1@-1443.9,2065 -1533.9,2155 CS3.1@-1800,2155 -1812.8,2155 -1800,2142.2 CS2.1@-1800,2038.82 ; SO1.10@-1439.86,-175.51 -1439.86,-145.39 -1394.47,-100 v1@-1300,-100 ; Sh2.16@-847.42,-364.49 -847.42,-394.61 v1@-806.01,-436.01 ; v1@-645,-5 -645,-77.87 -619.93,-102.94 SO2.16@-619.93,-175.51 ; SO2.10@-319.93,-175.51 -319.93,-64.93 -295,-40 v1(-199.33,-40) ; CR3.1@-220,518.98 -220,385 -95,260 192.99,260 240,307.01 240,720.63 299.04,779.67 v1@350.33,779.67 ; v1@300,1420 v1@300,1425.95 ; Sh5.16@344.49,1409.74 Sh5.16@349.74,1409.74 ; v1(345,930) 348.89,930 384.89,894 397.72,894 807.18,484.53 v1(807.18,395.95) ; Sh4.16@350,708.26 350.33,708.59 v1@350.33,779.67 ; v1(350.67,780) v1@350.33,779.67 ; v1(440,-245) v1(440,-60) 442.5,-57.5 500,-115 SO3.16@500,-175.51 ; SO3.10@800,-175.51 v1@800,-84.56 ; 1230,920 1230,715 1230,510 1230,300 1230,100 1230,-100 1230,-310 1230,-520 1230,-735 1230,-925 1230,-1115.5 1311.75,-1115.5 1438.1,-1241.85 1563.13,-1241.85 1680.81,-1359.53 1680.81,-1415.65 1635,-1461.46 RP2.2@1635,-1465 ; RP2.2@1635,-1468.54 RP2.2@1640.73,-1474.27 ; CS2.1@-1800,2038.82 -1771.26,2038.82 -1745.08,2065 RC3.2@-1650,2065 -1650,2061.46 -1633.19,2044.65 -1633.19,2034.85 -1520,1921.65 -1520,1789.64 -1569.64,1740 ADM.8@-1619.46,1740
  Top Layer w50: -1075,1605 -1055,1625 v1(-1055,1635) ; v1@-1060,1640 -1026.89,1640 -899.96,1766.93 DP2.2@-899.96,1775 -901.34,1776.38 -901.34,1857.25 -906.61,1862.52 -906.61,2157.48 -664.84,2399.25 690.75,2399.25 765,2325 765,2074.96 1045,1794.96 K1.4@1045,1785 ; DP2.2@-895,1785 -837.68,1842.32 -732.8,1842.32 -702.17,1811.69 -702.17,1677.1 -605.14,1580.07 -605.14,1354.6 -500.53,1250 -500.53,1029.47 -422.13,951.06 -422.13,606.63 -350.61,535.12 DZ1.2@-345.49,535.12 -344.12,533.74 CR3.1@-234.76,533.74 ; Reg2.3@-565,343.04 -393.97,343.04 CR3.1@-222.76,514.26 ; CR2.1@-220.51,975.51 -126.75,881.75 -126.75,614.2 CR3.1@-220,520.95 ; DP15.2@680,1380 680,1388.07 1040.98,1749.05 1040.98,1779.02 K1.4@1040,1780
  Bottom Layer w20: v1(-2165,-525) -2100.24,-525 -2085.24,-540 v1(-2080,-540) ; v1@-2165,-520 -2165.24,-520 -2185.24,-540 v1(-2240,-540) -2240,-591.24 -2282.13,-633.36 -2282.13,-735.5 -2254.25,-763.37 -2254.25,-930.75 -2210,-975 -1660,-975 ; v1@-1790,-710 -1753.87,-746.13 -1753.87,-876.13 -1650,-980 ; v1(-1685,-630) -1680,-625 v1@-1565,-625 ; -1660,-980 -1650,-980 ; v1(-1560,-625) v1@-1565,-625 ; v1@-1450,-605 -1545,-605 v1@-1565,-625 ; v1@-1440,-610 -1430,-600 v1(-1355,-600) ; -1335,-975 -1330,-975 -1270,-915 v1(-1270,-815) ; -1325,-975 -1330,-980 -1650,-980 ; v1@-1160,-585 -1152.5,-577.5 v1@-1062.5,-577.5 ; v1@-1058.71,-578.71 -1051.05,-578.71 -1044.76,-585 v1(-960,-585) -954.76,-585 -939.76,-600 v1(-860,-600) ; v1(-770,-725) -770,-955 -730,-995 -220,-995 ; v1@-630,-625 -590,-585 v1(-535,-585) -498.71,-548.71 -458.71,-548.71 v1(-455,-545) -451.29,-541.29 -415.06,-541.29 -397.47,-523.71 -358.71,-523.71 v1(-355,-520) -303.12,-520 -278.12,-495 -181.88,-495 -124.01,-552.87 -72.13,-552.87 v1@-55,-570 ; v1@-48.71,-578.71 -83.71,-578.71 v1(-150,-645) -153.71,-648.71 -182.47,-648.71 -245,-711.24 -245,-970 -220,-995 ; v1(-45,-575) 11.29,-518.71 56.29,-518.71 v1(60,-515) ; v1@70,-520 100,-520 v1(155,-575) ; v1@335,-645 331.29,-648.71 306.29,-648.71 250,-705 250,-925 180,-995 -220,-995 ; 356.49,-633.75 366.05,-633.75 411.09,-588.71 441.29,-588.71 v1(445,-585) 450.24,-585 470.24,-565 v1(540,-565) ; v1@540.24,-570 565.24,-545 v1(640,-545)
  Bottom Layer w25: v1(-1935,-485) -1871.37,-421.37 -1871.37,-381.37 -1807.75,-317.75 -1757.25,-317.75 -1678.68,-396.32 -1332.05,-396.32 -1328.31,-400.06 -1202.33,-400.06 -1196.15,-393.88 -909.34,-393.88 -865.97,-437.25 -812.08,-437.25 v1(-809.33,-440) -684.33,-315 200,-315 v1(280,-395) ; CPP6.2@-1805,-80 -1745,-80 -1715,-110 v1(-1284.33,-110) -1184.33,-210 -787.62,-210 -699.92,-122.29 -699.92,-69.92 v1@-640,-10 ; v1@-1655,1650 -1644.93,1639.93 -1381.58,1639.93 -1326.59,1584.94 -1293.41,1584.94 -1243.35,1635 v1(-1055,1635) ; v1(-1144.96,255) -1049.96,160 -420,160 -230,350 v1(-230,521.5) ; v1(-650,-10) v1@-640,-10 ; CPP11.2@-204.03,-44.69 -269.04,-109.71 -458.25,-109.71 -577.96,10 -620,10 v1@-640,-10 ; v1(-199.33,-40) -67.72,-40 137.28,-245 435,-245 v1@437.25,-247.25 ; v1(305,1415) 350.67,1369.33 v1(350.67,780) CPP7.2@350.67,775.67 ; CPP7.2@350,775 CPP7.2@350.67,775.67 ; v1(440,-245) 443.89,-245 440,-241.11 440,-197.38 538.25,-99.13 538.25,-76.75 590,-25 755,-25 CPP9.2@800,-70 ; v1(440,-60) 401.46,-60 214.63,126.84 214.63,471.91 350.67,607.96 CPP7.2@350.67,775.67 ; v1(807.18,395.95) 1128.63,395.95 1138.28,405.6 v1@1240.6,405.6
  other v1: 1640,-1475 340,-645 -635,-630 -1450,-615 -1160,-580 -1805,-315 805.67,-75 1235,407.56 -1660,1650
pads on no net: "CIN2. " "CIN. " C13.0 CIN2.5 CIN2.7 CIN.5 CIN.7 CR3.0 CR5.0 CS2.0 K1.3 Reg2.0 REG.0 Sh1.7 Sh2.7 Sh3.7 Sh4.7 Sh5.7 Sh5.10 SO3.9 T1.0 U1.1 U1.10 U1.19 U1.22 U1.39 U1.40 usb.1 Y3.3
copper on no net: | length 318.4
  Top Layer w10: 850,-175.51 850,-193.71 856.29,-200 854.45,-201.84 854.45,-211.46 875,-232.01 875,-475 v1@880,-480
  other v1: 870,-475

## Polygon pours and split planes (outlines as drawn)
GND_Panel on Bottom Layer "Bottom Layer-GND_Panel" (solid, remove dead copper, pour order 14): -2445,-1030 -2440,-1025 700,-1025 700,-1075 990,-1365 1245,-1365 1355,-1255 1350,-1250 1350,1160 1420,1230 1450,1200 2065,1200 2175,1090 2150,1065 2150,-860 2090,-860 1905,-1045 1905,-1255 2175,-1525 2175,-2665 2120,-2720 2005,-2605 -2405,-2605 -2405,-2325 -2510,-2220 -2475,-2185 -2475,-1745 -2305,-1575 -2340,-1540 -2340,-1335 -2500,-1175
GND on Bottom Layer "Bottom Layer-GND" (solid, remove dead copper, pour order 8): -2415,2005 -2145,2275 -210,2275 20,2045 765,2045 1030,2310 2075,2310 2195,2190 2195,1175 2170,1150 2090,1230 1365,1230 1350,1215 1350,-1330 1270,-1410 1210,-1350 910,-1350 545,-985 -2435,-985 -2495,-925 -2470,-900 -2470,440 -2400,510 -2465,575 -2465,710 -2310,865 -2315,870 -2315,1295 -2350,1295 -2450,1395 -2450,1990
GND on Top Layer "Top Layer-GND" (solid, remove dead copper, pour order 10): -2460,2000 -2375,2000 -2100,2275 -2070,2245 -160,2245 25,2060 805,2060 1065,2320 2035,2320 2190,2165 2190,1165 2175,1150 2105,1220 1395,1220 1390,1225 1305,1140 1305,-1395 1225,-1315 920,-1315 920,-1235 650,-965 630,-985 -2400,-985 -2400,-965 -2510,-855 -2505,-850 -2505,250 -2440,315 -2440,1525 -2460,1545
GND_Panel on Top Layer "Top Layer-GND_Panel" (solid, remove dead copper, pour order 12): -2450,-1035 630,-1035 975,-1380 1430,-1380 1465,-1345 1320,-1345 1320,-1185 1345,-1160 1345,1120 1430,1205 1540,1095 2095,1095 2095,1020 2240,875 2240,-2690 2205,-2725 -2500,-2725 -2630,-2595 -2575,-2540 -2575,-1855 -2480,-1855 -2300,-1675 -2305,-1670 -2305,-1370 -2500,-1175

## Keep-outs
Keep-Out Layer:
  the board outline again, w10

## Silkscreen, mask and mechanical layers (free items; w line width, h text height)
Top Overlay:
  drawing of 697 lines, arcs and shapes, not listed
  text "DN" at 1939.7,958.65 h40
  text "UP" at 1944.7,801.75 h40
  text "Flt" at 1940,660 h40
  text "1" at 1987.3,496.28 h40
  text "-" at 1975,290.61 h40
  text "EBS" at -75,130 h150
  text "G" at 1980,130 h40
  text "ID" at -1793.69,120 h40
  text "V3.0D0111" at -375,10 h150
  text "F" at 1980,-30 h40
  text "E" at 1975,-170.93 h40
  text "D" at 1975,-335 h40
  text "C" at 1975.93,-473.83 h40
  text "B" at 1980,-630 h40
  text "A" at 1975,-780 h40
  text "24V" at 1860,-1605 h40
  text "G" at 1885,-1725 h40
  text "Dr" at 1860,-1825 h40
  text "F11" at -733.14,-1912.13 h39.37
  text "F12" at -568.14,-1912.13 h39.37
  text "F13" at -413.14,-1912.13 h39.37
  text "F14" at -261.74,-1912.13 h39.37
  text "F15" at -118.14,-1912.13 h39.37
  text "F16" at 31.86,-1912.13 h39.37
  text "F17" at 189.36,-1912.13 h39.37
  text "F18" at 339.13,-1912.13 h39.37
  text "F19" at 491.86,-1912.13 h39.37
  text "F20" at 638.42,-1912.13 h39.37
  text "F21" at 855,-1912.13 h39.37
  text "F22" at 1015,-1912.13 h39.37
  text "F23" at 1165,-1912.13 h39.37
  text "F24" at 1318.12,-1912.13 h39.37
  text "F1" at -2315,-1920 h47.24
  text "F2" at -2140,-1920 h47.24
  text "F3" at -1990.53,-1920 h47.24
  text "F4" at -1844.5,-1920 h47.24
  text "F5" at -1693.65,-1920 h47.24
  text "F6" at -1536.12,-1920 h47.24
  text "F7" at -1393.4,-1920 h47.24
  text "F8" at -1245.73,-1920 h47.24
  text "F9" at -1087.61,-1920 h47.24
  text "F10" at -944.34,-1920 h47.24
  text "N" at 1890,-1950 h40

## Text inside footprints (layer, text, board x,y; h text height)
K1: Top Overlay "COM" at 1040,1635 h59.06 r270; Top Overlay "NO" at 1331,1476 h59.06 r270; Top Overlay "NC" at 1333,1741 h59.06 r270